# Allegro board FEE5_10_30.brd (continued)
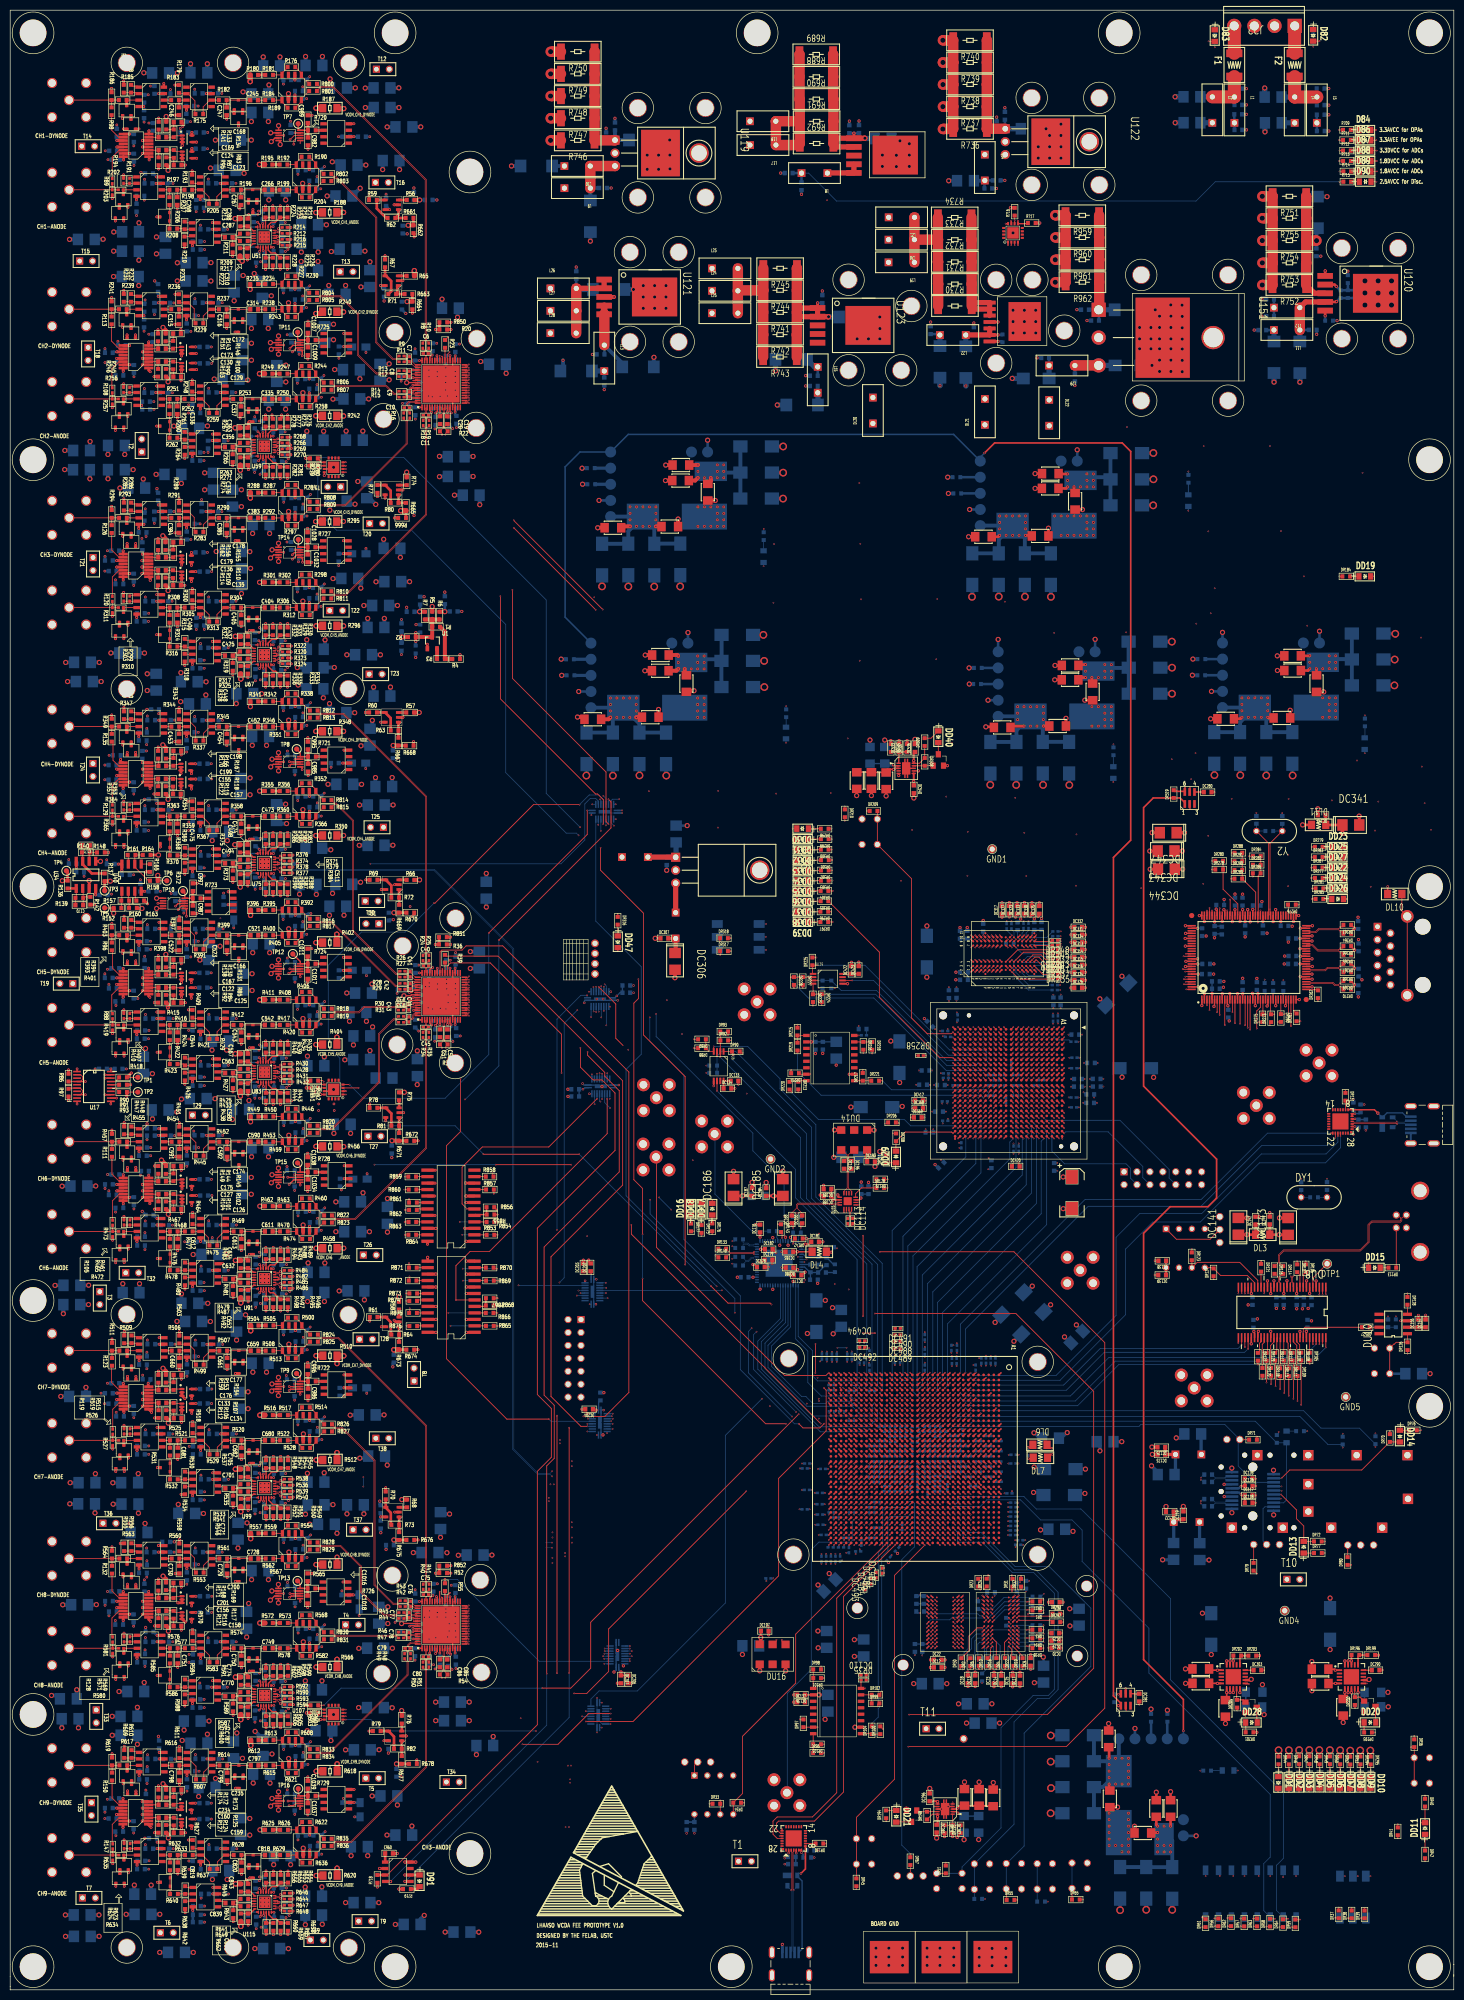
[diagram p0: board, top side]
## Routing (per net, layer and track width the routed paths; a pad name or vN(x,y) marks a point on that pad's centre or on a via; arc(x,y) is an arc through that point) (continued)
N16826944: length 3
  TOP w0.152: C174.1 32.08,161.74 R145.1 30.67,160.31 R144.1
N16827035: length 2.9
  TOP w0.152: C166.1 R131.1 32,200.78 R130.1
N16827045: length 3.3
  TOP w0.152: 30.58,281.29 C179.2 32.02,281.29 R155.2 32.3,281.56 33.63,281.56 U38.1
N16827057: length 3.2
  TOP w0.152: U39.1 33.73,117.97 32.27,117.97 R154.2 32.09,117.79 C176.2
N16827154: length 2.9
  TOP w0.152: C172.1 32.01,325.22 R146.1 31.92,323.7 R143.1
N16827197: length 3.2
  TOP w0.152: U42.1 33.67,77.2 32.34,77.2 R169.2 32.08,76.95 C201.2
N16827234: length 3
  TOP w0.152: C178.1 32.03,284.22 R155.1 31.94,282.73 R156.2
N16827294: length 3
  TOP w0.152: C235.1 32.12,37.86 R173.1 30.72,37.86 R172.1
N16827354: length 3.1
  TOP w0.152: U43.1 33.59,36.58 32.37,36.58 R173.2 32.11,36.33 C234.2
N16828877: length 3.3
  TOP w0.152: U40.2 23.21,214.03 R157.1 23.35,213.88 R160.2
N16828952: length 8
  TOP w0.152: R164.1 24.6,222.84 R161.2 24.48,222.72 U40.6 24.48,220.47 27.15,217.79 R158.1
N16828966: length 2
  TOP w0.152: R163.2 24.56,214.1 24.56,215.64 U40.3
N16829592: length 3.3
  TOP w0.152: R152.2 21.84,213.87 R157.2 21.94,213.99 U40.1
N16829965: length 1.8
  TOP w0.152: U40.7 23.21,222.71 R161.1
N16830994: length 3
  TOP w0.152: v1(236.61,385.94) 236.62,385.93 D83.1
  BOTTOM w0.152: R708.2 236.62,384.01 236.62,385.93 v1(236.61,385.94)
N16831091: length 3
  TOP w0.152: v1(255.96,385.95) 255.96,385.95 D82.1
  BOTTOM w0.152: v1(255.96,385.95) 255.97,385.95 R707.2
N16839571: length 6.9
  TOP w0.152: U18.14 22.18,361.19 21.36,361.19 20.04,359.87 R89.1
N16839823: length 5.8
  TOP w0.152: R98.1 19.91,365.18 21.32,363.77 U18.10
N16839947: length 6.6
  TOP w0.152: U22.14 21.39,319.72 19.98,318.32 19.98,314.67 R108.1
N16839967: length 6.2
  TOP w0.152: R113.1 19.92,323.73 21.39,322.26 U22.10
N16840429: length 6.5
  TOP w0.152: U28.14 22.16,278.78 21.42,278.78 20.07,277.43 R120.1
N16840458: length 6.2
  TOP w0.152: U28.10 21.38,281.29 19.94,282.73 R126.1
N16840933: length 6.5
  TOP w0.152: U30.14 21.34,237.79 20.05,236.5 20.05,232.69 R129.1
N16840975: length 6.2
  TOP w0.152: R135.1 20.2,244.84 20.2,241.42 21.29,240.33 U30.10
N16841466: length 6.6
  TOP w0.152: R88.1 19.95,191.84 19.95,195.37 21.38,196.8 U14.14
N16841495: length 6.2
  TOP w0.152: U14.10 21.38,199.34 20.1,200.62 20.1,204 R96.1
N16841997: length 6.5
  TOP w0.152: R105.1 20.12,154.97 21.4,156.24 U23.14
N16842036: length 6.2
  TOP w0.152: R111.1 19.99,160.18 21.38,158.79 22.2,158.79 U23.10
N16842540: length 6.5
  TOP w0.152: R119.1 20.15,114.01 21.37,115.23 22.17,115.23 U26.14
N16842587: length 6.2
  TOP w0.152: R123.1 19.92,122.46 19.92,119.27 21.39,117.81 U26.10
N16842890: length 3.2
  TOP w0.152: DR42.1 DD11.1
N16843101: length 6.6
  TOP w0.152: U31.14 21.39,74.4 19.99,73 19.99,69.42 R128.1
N16843150: length 6.2
  TOP w0.152: R132.1 20,78.32 21.38,76.94 U31.10
N16843173: length 5.5
  TOP w0.254: DR306.2 173,243.09 DC533.1 ; DC533.1 176.19,243.09 DR307.1 ; DC533.1 174.54,243.01 DU43.1
N16843250: length 3.8
  TOP w0.152: DU43.9 179.64,240.35 DR308.2 179.67,240.38 Q5.1
N16843676: length 6.5
  TOP w0.152: R147.1 20.05,28.76 20.05,32.49 21.35,33.78 U36.14
N16843725: length 6.2
  TOP w0.152: U36.10 21.35,36.32 20.02,37.66 R150.1
N16847176: length 1
  TOP w0.152: DR35.1 DC110.1
N16848017: length 6.1
  TOP w0.152: C245.1 D2.3 44.82,371.06 R182.2 42.53,371.06 C247.1
N16849443: length 5
  TOP w0.152: R175.2 37.92,369.75 39.23,371.07 U45.6 40.99,371.07 R182.1
N16855233: length 33.3
  TOP w0.508: v8(165.75,364.58) 165.75,364.57 165.74,364.56 U118.1
  TOP w1.016: 161.71,362.56 162.73,363.58 U118.1 167.78,363.58 167.78,363.58 v5(167.9,363.58) ; U118.2 162.39,361.88 R692.1
  TOP w2.032: R692.1 161.71,366.9 R691.1 161.71,371.22 R690.1 161.66,375.64 R688.1 161.66,380.03 R689.1
  BOTTOM w0.508: C914.2 164.85,364.58 v8(165.75,364.58) 166.71,364.58 C913.2
  BOTTOM w1.016: v5(167.9,363.58) 167.94,363.53 C912.1
N16855277: length 31.7
  TOP w2.032: R691.2 155.09,366.92 L18.1 150.42,366.91 L17.1 154.8,362.24 R692.2 155.11,366.9 R691.2 ; R691.2 155.11,371.22 R690.2 155.06,375.64 R688.2 155.06,380.03 R689.2
N16855328: length 6.9
  TOP w1.016: L8.1 160.57,356.77 U118.5 U118.4
N16858141: length 6.1
  TOP w0.152: C267.1 R196.2 D6.3 49.96,353.46 C266.1
N16865652: length 2.1
  TOP w0.254: U4.39 R55.2
N16865656: length 2.5
  TOP w0.102: C85.1 85.3,65.41 85.3,66.95 U4.10
N16865660: length 2.5
  TOP w0.102: U4.9 85.05,66.92 85.05,65.5 C86.1
N16865671: length 2
  TOP w0.254: v3(79.1,72.99) 79.11,72.99 79.18,72.92 80.04,72.92 U4.54
  BOTTOM w0.508: R53.2 78.29,72.99 v3(79.1,72.99)
N16866400: length 30.9
  TOP w2.032: L20.1 177.62,348.02 L21.1 ; L20.1 182.24,343.67 ; L20.1 177.63,343.66 L19.1 ; 182.24,343.67 182.24,343.68 R734.2 ; 182.24,343.67 R733.2 182.25,339.32 R732.2 182.27,339.3 R731.2 182.29,334.94 R730.2
N16866421: length 27.5
  TOP w1.016: U150.2 189.49,330.04 R730.1 189.56,331.31 U150.1 U150.2 ; U150.2 U150.3
  TOP w2.032: R730.1 188.89,334.94 R731.1 188.87,339.3 R732.1 188.86,343.65 R733.1 188.84,343.68 R734.1
N16866776: length 12.4
  TOP w0.508: v8(194.03,324.96) 193.94,324.96 193.94,324.96 U150.6
  TOP w1.016: U150.5 U150.6 187.72,324.96 L22.1
  BOTTOM w0.508: v8(194.03,324.96) 194.84,324.96 R735.2 ; L22.1 187.71,324.95 C1052.1
  BOTTOM w1.016: C1051.1 187.73,324.92 L22.1
N16866778: length 4.8
  BOTTOM w0.508: v8(180.81,327.48) 180.81,327.3 180.81,327.3 C1050.2 ; C1052.2 189.3,327.09 189.3,327.09 v8(189.3,327.31)
  BOTTOM w1.016: C1053.2 182.64,315.07 182.65,315.07 v8(182.65,314.98) ; C1051.2 187.73,315.03 187.73,315.03 v8(187.73,314.93)
N16867091: length 2.6
  TOP w0.508: U150.7 193.99,323.69 194,323.7 v8(194.03,323.7)
  BOTTOM w0.508: R735.1 194.76,323.7 v8(194.03,323.7)
N16867555: length 6.1
  TOP w0.508: R67.2 U8.4 73.82,336.56 74.84,335.54 74.84,333.53 R71.1
N16867560: length 1.6
  TOP w0.508: U8.3 77.89,336.56 R65.2
N16867578: length 31.3
  TOP w2.032: R743.1 147.91,324.99 R742.1 R741.1 R744.1 ; R744.1 143.04,333.72 L24.2 ; R744.1 147.94,333.74 R745.1 ; L24.2 L23.2 ; L24.2 L25.2
N16867691: length 1.6
  TOP w0.508: U11.3 77.89,295.47 R74.2
N16867696: length 5.4
  TOP w0.508: R77.2 73.64,295.48 U11.4 74.75,294.37 R80.1
N16867852: length 5.6
  TOP w0.508: R60.2 73.64,250.83 U6.4 74.75,249.72 R63.1
N16867857: length 1.5
  TOP w0.508: U6.3 77.81,250.82 R57.2
N16867918: length 1.5
  TOP w0.508: U9.3 77.86,217.96 R66.2
N16867923: length 5.6
  TOP w0.508: R72.1 74.87,216.85 U9.4 73.76,217.96 R69.2
N16867976: length 1.5
  TOP w0.508: U12.3 76.4,174.69 R75.2
N16867995: length 5.6
  TOP w0.508: R81.1 74.88,172.08 U12.4 73.77,173.18 R78.2
N16868255: length 5.5
  TOP w0.508: R61.2 73.76,132.11 U7.4 74.78,131.09 74.78,128.75 R64.1
N16868275: length 1.5
  TOP w0.508: U7.3 76.4,133.59 R58.2
N16868314: length 1.6
  TOP w0.508: U10.3 77.95,94.76 R68.2
N16868333: length 5.5
  TOP w0.508: R70.2 73.78,96.3 U10.4 73.78,94.66 74.77,93.67 74.77,91.41 R73.1
N16868382: length 1.5
  TOP w0.508: U13.3 76.93,52.28 R76.2
N16868399: length 5.5
  TOP w0.508: R82.1 75.39,49.71 U13.4 74.29,50.81 R79.2
N16872661: length 25.8
  TOP w2.032: U151.1 213.93,330 R962.2 213.93,339.72 R961.2 213.93,339.73 R960.2 213.91,344.1 R959.2
  BOTTOM w0.508: U151.1 213.82,329.9 C1102.1 ; C1100.1 213.88,329.84 213.83,329.89
  BOTTOM w1.016: C1101.1 213.83,329.89 U151.1
N16872790: length 9.5
  TOP w2.032: L29.1 209.18,318.98 U151.3
  BOTTOM w0.508: L29.1 209.15,318.95 C1103.1
  BOTTOM w1.016: C1104.1 213.83,318.97 U151.3
N16875042: length 1.6
  TOP w0.152: D90.1 263.41,355.05 R715.2
N16954461: length 0.6
  TOP w0.152: DU37.H11 v1(200.06,179.04)
N16962011: length 2.4
  TOP w0.152: DR302.2 159.26,219.82 DD34.1
N16962019: length 2.4
  TOP w0.152: DD35.1 159.25,217.83 DR303.2
N16962048: length 2.4
  TOP w0.152: DD36.1 159.19,215.81 DR304.2
N16962050: length 2.4
  TOP w0.152: DD33.1 159.27,221.82 DR301.2
N16962063: length 2.4
  TOP w0.152: DD30.1 159.22,228.01 DR298.2
N16962084: length 2.4
  TOP w0.152: DD37.1 159.2,213.77 DR305.2
N16962129: length 2.4
  TOP w0.152: DD31.1 159.25,225.96 DR299.2
N16962142: length 2.4
  TOP w0.152: DD32.1 159.24,223.9 DR300.2
N16962322: length 2.3
  TOP w0.152: DR296.2 159.15,211.75 DD38.1
N16962439: length 2.3
  TOP w0.152: DD39.1 159.16,209.7 DR297.2
N17139717: length 2.4
  TOP w0.152: DR49.2 257.21,41.9 DD5.1
N17139733: length 2.4
  TOP w0.152: DD6.1 259.24,41.91 DR50.2
N17139762: length 2.4
  TOP w0.152: DD7.1 261.22,41.87 261.22,44.26 DR52.2
N17139764: length 2.5
  TOP w0.152: DD4.1 255.21,41.92 DR48.2
N17139777: length 2.4
  TOP w0.152: DD1.1 249.12,41.86 249.12,44.25 DR44.2
N17139806: length 2.4
  TOP w0.152: DD8.1 263.24,41.89 DR53.2
N17139843: length 2.4
  TOP w0.152: DD2.1 251.19,41.89 DR46.2
N17139856: length 2.5
  TOP w0.152: DD3.1 253.21,41.9 DR47.2
N17140193: length 2.4
  TOP w0.152: DR294.2 265.19,44.25 265.19,41.88 DD9.1
N17140255: length 2.4
  TOP w0.152: DR295.2 267.21,44.24 267.21,41.87 DD10.1
N17140326: length 0.6
  TOP w0.152: DU4.N33 v1(182.65,88.32)
N17146483: length 3.5
  TOP w0.152: U44.3 22.89,371.07 R185.2
  TOP w0.508: D1.3 22.88,371.07 R185.2
N17146496: length 0.8
  TOP w0.508: D3.3 23.74,368.07 D1.2
N17147935: length 1.7
  TOP w0.152: U44.1 25.03,373.81 23.99,373.81 R178.2
N17147938: length 3
  TOP w0.152: U44.2 25.03,372.54 R178.1 23.74,372.54 22.32,372.53 R177.2
N17151298: length 0.8
  TOP w0.508: D2.1 43.99,369.16 D4.2
N17151300: length 0.8
  TOP w0.508: D4.1 45.64,369.16 D2.2
N17153539: length 0.8
  TOP w0.508: D5.1 21.44,350.6 D8.3
N17160641: length 4.9
  TOP w0.152: 43.7,344.13 C287.2 44.07,344.5 44.79,344.5 R209.2 ; 43.7,344.13 44.06,343.77 44.79,343.77 R217.2 ; 43.7,344.13 R211.2
N17173981: length 1.4
  TOP w0.508: R181.1 50.11,376.02 R180.2
N17175337: length 1.4
  TOP w0.508: R195.2 R192.1
N17226110: length 58
  TOP w0.102: DU4.AP33 v1(160.79,88.32)
  S5 w0.102: v1(106.44,86.82) 106.83,87.21 147.39,87.21 148.92,88.74 161.03,88.74 161.17,88.6 161.17,88.46 161.03,88.32 v1(160.79,88.32)
  BOTTOM w0.102: v1(106.44,86.82) 106.44,86.82 105.18,86.82
N17226113: length 58.3
  TOP w0.102: DU4.AN33 v1(161.79,88.32)
  S5 w0.102: v1(106.43,87.82) 106.82,87.42 147.3,87.42 148.83,88.95 161.12,88.95 161.75,88.32 v1(161.79,88.32)
  BOTTOM w0.102: 105.18,87.82 v1(106.43,87.82)
N17232608: length 0.6
  TOP w0.102: DU4.AG27 v1(167.79,94.32)
N17232611: length 0.6
  TOP w0.102: DU4.AH27 v1(166.79,94.32)
N17253178: length 0.6
  TOP w0.152: DU4.AC26 v1(171.79,95.32)
N17253188: length 0.6
  TOP w0.152: DU4.AC27 v1(171.79,94.32)
N17253255: length 0.6
  TOP w0.152: DU4.AH31 v1(166.79,90.32)
N17443555: length 6.4
  TOP w0.152: R179.2 33.31,372.34 U45.2 34.89,372.34 36.28,370.95 36.28,368.44 R175.1
N17445526: length 1.4
  TOP w0.152: R184.1 50.09,371.06 C245.2
N17448776: length 5.2
  TOP w0.152: R205.1 39.07,352.04 37.65,353.46 U48.3 37.32,353.46 R198.2
N17449344: length 5.2
  TOP w0.152: R205.2 40.59,352.12 41.94,353.46 U48.6 R196.1
N17451007: length 0.8
  TOP w0.508: D6.2 48.44,351.56 D7.1
N17451009: length 0.8
  TOP w0.508: D6.1 46.79,351.56 D7.2
N17451447: length 1.4
  TOP w0.152: C266.2 R199.1
N17454391: length 1.6
  TOP w0.152: U50.6 41.87,344.44 C287.1
N17456793: length 1.3
  TOP w0.152: U51.8 46.74,344.92 R209.1
N17464439: length 3.1
  TOP w0.254: R213.1 C288.2 46.85,346.28 47.7,345.43 U51.7
N17472046: length 3.2
  TOP w0.254: R222.1 C310.2 46.79,341.99 47.7,342.89 U51.12
N17472279: length 1.3
  TOP w0.152: R217.1 47.93,343.42 U51.11
N17495335: length 4.7
  TOP w0.152: R261.2 31.3,307.93 D18.2 D18.1 31.31,306.27 R262.1
N17495381: length 3
  TOP w0.152: 31.3,312.39 31.29,312.38 U55.6 ; 31.3,312.39 R261.1 ; 31.3,312.39 R251.1
N17495387: length 5.2
  TOP w0.152: R259.1 39.08,310.97 37.66,312.39 U57.3 37.33,312.39 R252.2
N17495398: length 0.8
  TOP w0.508: D13.1 45.65,328.09 D11.2
N17495400: length 0.8
  TOP w0.508: D11.1 44,328.09 D13.2
N17495459: length 1.5
  TOP w0.152: R264.1 35.76,302.96 U58.3
N17495461: length 1.7
  TOP w0.152: R260.1 34.53,305.67 35.6,305.67 U58.1
N17495463: length 3.2
  TOP w0.152: U58.2 35.6,304.4 R260.2 34.07,304.6 32.99,304.6 R262.2
N17495495: length 5.2
  TOP w0.152: R253.1 U57.6 41.95,312.39 40.6,311.05 R259.2
N17495509: length 6.1
  TOP w0.152: C314.1 D11.3 44.83,329.99 R237.2 42.54,329.99 C316.1
N17495843: length 0.8
  TOP w0.508: D15.2 48.45,310.49 D17.1
N17495854: length 6.1
  TOP w0.152: C337.1 R253.2 D15.3 49.97,312.39 C335.1
N17495859: length 0.8
  TOP w0.508: D15.1 46.8,310.49 D17.2
N17495865: length 2.6
  TOP w0.152: R246.2 23.45,313.65 R245.1 24.82,313.65 U55.2
N17495867: length 2.9
  TOP w0.152: C336.1 32.83,312.38 R251.2 34.25,312.39 R252.1
N17495869: length 4.5
  TOP w0.102: R806.1 61.51,315.6 60.01,317.1 U56.5
  TOP w0.152: R244.2 58.8,318.87 60.01,317.66 U56.5
N17495871: length 3.7
  TOP w0.152: R230.1 53.4,335.39 U54.8 R234.2
N17495877: length 2.9
  TOP w0.152: U53.3 34.63,330 R236.2 33.16,330 C315.1
N17495938: length 3.6
  TOP w0.152: R256.2 24.82,312.39 U55.3
  TOP w0.508: D14.3 22.24,312.39 R256.2
N17495940: length 0.8
  TOP w0.508: D16.3 21.45,309.53 D14.1
N17495956: length 1.4
  TOP w0.152: C335.2 R250.1
N17496004: length 3.7
  TOP w0.152: R247.2 56.19,317.35 U56.8 56.2,317.73 57.25,318.78 R244.1
N17496350: length 3.7
  TOP w0.152: R238.2 53.4,329.99 U54.1 53.4,329.64 54.49,328.55 R243.1
N17496361: length 4.4
  TOP w0.102: R804.1 58.65,333.23 57.21,334.68 U54.5
  TOP w0.152: R230.2 57.21,335.29 U54.5
N17496364: length 4.5
  TOP w0.102: R805.1 57.21,330.29 U54.4
  TOP w0.152: R243.2 56.02,328.53 57.21,329.73 U54.4
N17496367: length 1.5
  TOP w0.152: U58.6 C356.1
N17496808: length 5
  TOP w0.152: R229.2 37.93,328.68 39.24,330 U53.6 41,330 R237.1
N17496810: length 6.5
  TOP w0.152: R229.1 36.15,327.51 36.15,330.1 34.98,331.27 U53.2 33.32,331.27 R233.2
N17496822: length 4.9
  TOP w0.152: R263.2 45.14,303.76 44.71,303.33 44.08,303.33 C356.2 43.71,302.96 ; R271.2 45.15,302.36 44.91,302.6 44.07,302.6 43.71,302.96 ; 43.71,302.96 R265.2
N17496860: length 3.5
  TOP w0.152: U52.3 22.9,330 R239.2
  TOP w0.508: R239.2 22.89,330 22.89,329.32 D10.3
N17496866: length 0.8
  TOP w0.508: D12.3 23.75,327 D10.2
N17496883: length 1.4
  TOP w0.152: U52.6 31.63,330 R236.1
N17497020: length 3.7
  TOP w0.152: R250.2 56.2,312.39 U56.1 56.2,312.06 57.3,310.96 R258.1
N17497024: length 4.4
  TOP w0.102: R807.1 60.01,312.61 U56.4
  TOP w0.152: U56.4 60.01,312.09 R258.2
N17497075: length 1.4
  TOP w0.152: C314.2 50.1,329.99 R238.1
N17497141: length 1.7
  TOP w0.152: R232.2 24.01,332.74 25.05,332.74 U52.1
N17497146: length 3
  TOP w0.152: R231.2 22.33,331.46 23.75,331.47 R232.1 25.04,331.47 U52.2
N17497188: length 1.4
  TOP w0.508: R234.1 50.12,334.95 R235.2
N17497557: length 1.4
  TOP w0.508: R249.2 R247.1
N17497594: length 1.5
  TOP w0.152: U55.1 24.7,314.8 23.59,314.8 R245.2
N17500974: length 4.7
  TOP w0.152: R316.1 31.32,263.77 D27.1 D27.2 31.31,266.96 R315.2
N17501020: length 3
  TOP w0.152: 31.31,271.42 R308.1 ; 31.31,271.42 R315.1 ; 31.31,271.42 31.31,271.41 U64.6
N17501026: length 5.2
  TOP w0.152: R305.2 37.34,271.42 U65.3 37.67,271.42 39.1,270 R313.1
N17501028: length 0.8
  TOP w0.508: D20.2 45.67,287.12 D22.1
N17501030: length 0.8
  TOP w0.508: D20.1 44.02,287.12 D22.2
N17501098: length 1.5
  TOP w0.152: R318.1 34.38,262.25 U66.3
N17501100: length 1.7
  TOP w0.152: U66.1 35.56,265 34.58,265 R314.1
N17501102: length 3
  TOP w0.152: U66.2 35.67,263.63 34.43,263.63 R314.2 34.29,263.77 R316.2
N17501134: length 5.2
  TOP w0.152: R304.1 U65.6 41.96,271.42 40.62,270.08 R313.2
N17501140: length 6.1
  TOP w0.152: C383.1 D20.3 44.85,289.02 R290.2 42.55,289.02 C385.1
N17501482: length 0.8
  TOP w0.508: D25.1 48.47,269.52 D24.2
N17501484: length 6.1
  TOP w0.152: C404.1 49.99,271.42 D24.3 R304.2 C405.1
N17501498: length 0.8
  TOP w0.508: D25.2 46.82,269.52 D24.1
N17501504: length 2.6
  TOP w0.152: U64.2 24.84,272.68 R299.1 23.47,272.68 R303.2
N17501506: length 2.9
  TOP w0.152: C406.1 32.85,271.41 R308.2 34.27,271.42 R305.1
N17501508: length 4.5
  TOP w0.102: R810.1 61.5,274.63 60.03,276.1 U63.5
  TOP w0.152: R298.2 58.82,277.9 60.03,276.69 U63.5
N17501510: length 3.7
  TOP w0.152: R284.1 53.42,294.42 U62.8 R287.2
N17501516: length 2.9
  TOP w0.152: U61.3 34.64,289.03 R291.2 33.18,289.03 C384.1
N17501577: length 3.6
  TOP w0.152: R310.2 24.84,271.42 U64.3
  TOP w0.508: D23.3 22.26,271.42 R310.2
N17501579: length 0.8
  TOP w0.508: D23.1 21.47,268.56 D26.3
N17501595: length 1.4
  TOP w0.152: C404.2 R306.1
N17501643: length 3.7
  TOP w0.152: R302.2 56.21,276.38 U63.8 56.22,276.76 57.26,277.81 R298.1
N17501981: length 3.7
  TOP w0.152: R297.1 54.51,287.56 53.42,288.65 U62.1 53.42,289.02 R292.2
N17502000: length 1.6
  TOP w0.152: C425.1 42.01,262.18 40.8,262.18 U66.6
N17502035: length 4.5
  TOP w0.102: R808.1 58.76,292.21 57.23,293.74 U62.5
  TOP w0.152: R284.2 57.23,294.32 U62.5
N17502071: length 4.5
  TOP w0.102: U62.4 57.23,289.27 58.75,290.79 R809.1
  TOP w0.152: U62.4 57.23,288.72 R297.2
N17502439: length 5
  TOP w0.152: R283.2 37.94,287.71 39.26,289.03 U61.6 41.02,289.03 R290.1
N17502441: length 6.5
  TOP w0.152: R283.1 36.15,286.56 36.15,289.14 35,290.3 U61.2 33.34,290.3 R289.2
N17502461: length 4.9
  TOP w0.152: 43.73,261.99 R319.2 ; 43.73,261.99 C425.2 44.22,262.49 44.85,262.49 R317.2 ; 43.73,261.99 44.06,261.66 44.89,261.66 R325.2
N17502491: length 3.5
  TOP w0.152: R293.2 22.92,289.03 U60.3
  TOP w0.508: D19.3 22.91,288.35 22.9,289.03 R293.2
N17502505: length 0.8
  TOP w0.508: D19.2 23.77,286.03 D21.3
N17502522: length 1.4
  TOP w0.152: R291.1 31.65,289.03 U60.6
N17502651: length 3.7
  TOP w0.152: R306.2 56.21,271.42 U63.1 56.22,271.09 57.32,269.99 R312.1
N17502663: length 4.4
  TOP w0.102: R811.1 60.03,271.69 U63.4
  TOP w0.152: U63.4 60.03,271.11 R312.2
N17502711: length 1.4
  TOP w0.152: C383.2 50.12,289.02 R292.1
N17502772: length 1.7
  TOP w0.152: U60.1 25.06,291.77 24.03,291.77 R286.2
N17502777: length 3
  TOP w0.152: U60.2 23.97,290.3 R286.1 23.76,290.5 22.34,290.49 R285.2
N17502819: length 1.4
  TOP w0.508: R287.1 50.13,293.98 R288.2
N17503196: length 1.4
  TOP w0.508: R301.2 R302.1
N17503229: length 1.5
  TOP w0.152: U64.1 24.73,273.84 23.62,273.84 R299.2
N17506508: length 4.7
  TOP w0.152: R370.1 31.34,222.76 D36.1 D36.2 31.34,227.44 R369.2
N17506530: length 3
  TOP w0.152: U72.6 31.32,230.43 31.32,230.43 ; 31.32,230.43 R363.1 ; 31.32,230.43 R369.1
N17506560: length 5.2
  TOP w0.152: R367.1 39.11,229.01 37.68,230.44 U73.3 37.35,230.44 R359.2
N17506562: length 0.8
  TOP w0.508: D29.2 45.68,246.14 D31.1
N17506564: length 0.8
  TOP w0.508: D31.2 44.03,246.14 D29.1
N17506624: length 1.6
  TOP w0.152: U74.3 35.65,221.33 R372.1
N17506626: length 1.6
  TOP w0.152: U74.1 34.57,224.02 R368.1
N17506628: length 2.9
  TOP w0.152: R370.2 34.3,222.76 R368.2 35.8,222.75 U74.2
N17506660: length 5.2
  TOP w0.152: R358.1 U73.6 41.98,230.44 40.63,229.09 R367.2
N17506674: length 6.1
  TOP w0.152: C454.1 42.56,248.04 R345.2 44.86,248.04 D29.3 C452.1
N17507008: length 0.8
  TOP w0.508: D33.2 48.48,228.54 D34.1
N17507010: length 6.1
  TOP w0.152: C474.1 R358.2 D33.3 50,230.44 C473.1
N17507023: length 0.8
  TOP w0.508: D34.2 46.83,228.54 D33.1
N17507038: length 2.6
  TOP w0.152: R357.2 23.48,231.7 R353.1 24.85,231.69 U72.2
N17507040: length 2.9
  TOP w0.152: R359.1 34.28,230.44 R363.2 32.86,230.43 C475.1
N17507042: length 4.5
  TOP w0.102: U71.5 60.04,235.13 61.55,233.62 R814.1
  TOP w0.152: R352.2 58.83,236.91 60.04,235.7 U71.5
N17507044: length 3.7
  TOP w0.152: R338.1 53.43,253.44 U70.8 R342.2
N17507050: length 2.9
  TOP w0.152: U69.3 34.65,248.05 R344.2 33.19,248.04 C453.1
N17507103: length 3.6
  TOP w0.152: R364.2 24.85,230.44 U72.3
  TOP w0.508: D32.3 22.27,230.43 R364.2
N17507105: length 0.8
  TOP w0.508: D35.3 21.48,227.58 D32.1
N17507121: length 1.4
  TOP w0.152: C473.2 R360.1
N17507169: length 3.7
  TOP w0.152: R352.1 57.27,236.82 56.23,235.78 U71.8 56.22,235.39 R356.2
N17507507: length 3.7
  TOP w0.152: R346.2 53.43,248.04 U70.1 53.43,247.64 R351.1
N17507520: length 4.5
  TOP w0.102: U70.5 57.24,252.79 58.82,251.21 R812.1
  TOP w0.152: U70.5 57.24,253.33 R338.2
N17507523: length 4.5
  TOP w0.102: R813.1 58.79,249.8 57.24,248.26 U70.4
  TOP w0.152: R351.2 56.08,246.55 57.24,247.7 U70.4
N17507534: length 1.6
  TOP w0.152: U74.6 41.94,221.48 C494.1
N17507965: length 5
  TOP w0.152: R345.1 41.03,248.04 U69.6 39.27,248.04 37.95,246.73 R337.2
N17507967: length 6.5
  TOP w0.152: R337.1 36.43,247.89 35.01,249.31 U69.2 33.35,249.31 R343.2
N17507987: length 4.9
  TOP w0.152: R373.2 43.75,221.2 C494.2 ; R371.2 44.84,221.58 44.09,221.58 43.74,221.23 C494.2 ; C494.2 43.74,221.16 44.05,220.85 44.81,220.85 R379.2
N17508016: length 3.5
  TOP w0.152: U68.3 22.93,248.05 R347.2
  TOP w0.508: R347.2 22.92,247.37 22.92,247.37 D28.3
N17508031: length 0.8
  TOP w0.508: D28.2 23.78,245.05 D30.3
N17508048: length 1.4
  TOP w0.152: R344.1 31.66,248.05 U68.6
N17508185: length 3.7
  TOP w0.152: R360.2 56.22,230.43 U71.1 56.23,230.1 57.33,229 R366.1
N17508189: length 4.4
  TOP w0.102: R815.1 61.57,232.21 60.04,230.68 U71.4
  TOP w0.152: R366.2 60.04,230.13 U71.4
N17508236: length 1.4
  TOP w0.152: C452.2 50.13,248.04 R346.1
N17508298: length 1.7
  TOP w0.152: R340.2 24.04,250.78 25.07,250.78 U68.1
N17508303: length 3
  TOP w0.152: R339.2 22.35,249.51 23.77,249.51 R340.1 25.07,249.52 U68.2
N17508353: length 1.4
  TOP w0.508: R341.2 50.14,252.99 R342.1
N17508722: length 1.4
  TOP w0.508: R355.2 R356.1
N17508755: length 1.5
  TOP w0.152: R353.2 23.6,232.82 24.71,232.82 U72.1
N17511999: length 4.7
  TOP w0.152: R423.1 31.35,183.32 D45.1 D45.2 31.35,184.98 R424.2
N17512021: length 3
  TOP w0.152: 31.35,189.46 31.34,189.46 U79.6 ; 31.35,189.46 R415.1 ; 31.35,189.46 R424.1
N17512051: length 5.2
  TOP w0.152: R421.1 39.13,188.04 37.71,189.47 U80.3 37.38,189.47 R416.2
N17512053: length 0.8
  TOP w0.508: D40.1 45.7,205.17 D38.2
N17512055: length 0.8
  TOP w0.508: D40.2 44.05,205.17 D38.1
N17512115: length 1.6
  TOP w0.152: R426.1 35.66,180.09 U82.3
N17512117: length 1.6
  TOP w0.152: R422.1 34.57,182.79 U82.1
N17512119: length 3.1
  TOP w0.152: U82.2 35.81,181.51 R422.2 34.04,181.8 R423.2
N17512151: length 5.2
  TOP w0.152: R421.2 40.65,188.12 42,189.47 U80.6 R412.1
N17512165: length 6.1
  TOP w0.152: C521.1 D38.3 44.88,207.07 R399.2 42.58,207.07 C523.1
N17512499: length 0.8
  TOP w0.508: D42.2 48.5,187.57 D43.1
N17512501: length 6.1
  TOP w0.152: C543.1 R412.2 D42.3 50.02,189.47 C542.1
N17512506: length 0.8
  TOP w0.508: D43.2 46.85,187.57 D42.1
N17512520: length 2.6
  TOP w0.152: R410.2 23.5,190.73 R407.1 24.87,190.72 U79.2
N17512531: length 2.9
  TOP w0.152: R416.1 34.3,189.47 R415.2 32.88,189.46 C544.1
N17512533: length 4.5
  TOP w0.102: R818.1 60.06,194.23 U81.5
  TOP w0.152: R406.2 58.85,195.94 60.06,194.73 U81.5
N17512535: length 3.7
  TOP w0.152: R392.1 53.45,212.47 U78.8 R395.2
N17512541: length 2.9
  TOP w0.152: U77.3 34.68,207.08 R398.2 33.21,207.07 C522.1
N17512585: length 3.6
  TOP w0.152: U79.3 24.87,189.47 R418.2
  TOP w0.508: R418.2 22.29,189.46 D41.3
N17512596: length 0.8
  TOP w0.508: D41.1 21.5,186.61 D44.3
N17512612: length 1.4
  TOP w0.152: C542.2 R417.1
N17512660: length 3.7
  TOP w0.152: R406.1 57.29,195.85 56.25,194.81 U81.8 56.24,194.42 R408.2
N17512998: length 3.7
  TOP w0.152: R400.2 53.45,207.07 U78.1 53.45,206.71 54.54,205.62 R405.1
N17513011: length 4.4
  TOP w0.102: U78.5 57.26,211.92 R816.1
  TOP w0.152: U78.5 57.26,212.36 R392.2
N17513014: length 4.5
  TOP w0.102: U78.4 57.26,207.31 R817.1
  TOP w0.152: U78.4 57.26,206.8 56.06,205.61 R405.2
N17513017: length 1.6
  TOP w0.152: C563.1 42.02,180.25 U82.6
N17513448: length 5
  TOP w0.152: R391.2 37.97,205.76 39.29,207.07 U77.6 41.05,207.07 R399.1
N17513450: length 6.4
  TOP w0.152: R391.1 36.2,204.59 36.2,207.06 34.91,208.34 U77.2 33.37,208.34 R397.2
N17513478: length 4.9
  TOP w0.152: 43.76,180.03 C563.2 43.76,180.05 44.25,180.54 44.88,180.54 R425.2 ; 43.76,180.03 44.07,179.72 44.9,179.72 R433.2 ; 43.76,180.03 R427.2
N17513507: length 3.5
  TOP w0.152: R401.2 22.95,207.08 U76.3
  TOP w0.508: D37.3 22.94,206.4 22.94,206.4 R401.2
N17513513: length 0.8
  TOP w0.508: D37.2 23.8,204.08 D39.3
N17513539: length 1.4
  TOP w0.152: U76.6 31.68,207.08 R398.1
N17513676: length 3.7
  TOP w0.152: R417.2 56.24,189.46 U81.1 56.25,189.13 57.35,188.03 R420.1
N17513680: length 4.4
  TOP w0.102: U81.4 60.06,189.71 61.59,191.24 R819.1
  TOP w0.152: U81.4 60.06,189.16 R420.2
N17513719: length 1.4
  TOP w0.152: C521.2 50.15,207.07 R400.1
N17513781: length 1.7
  TOP w0.152: R394.2 24.06,209.81 25.09,209.81 U76.1
N17513786: length 3
  TOP w0.152: R393.2 22.37,208.54 23.79,208.54 R394.1 25.09,208.55 U76.2
N17513844: length 1.4
  TOP w0.508: R395.1 50.16,212.02 R396.2
N17514213: length 1.4
  TOP w0.508: R411.2 R408.1
N17514246: length 1.5
  TOP w0.152: R407.2 23.66,191.89 24.77,191.89 U79.1
N17517566: length 6.1
  TOP w0.152: C590.1 D47.3 44.9,166.52 R452.2 42.6,166.52 C592.1